# KiCad board testhologram v2.kicad_pcb (continued)
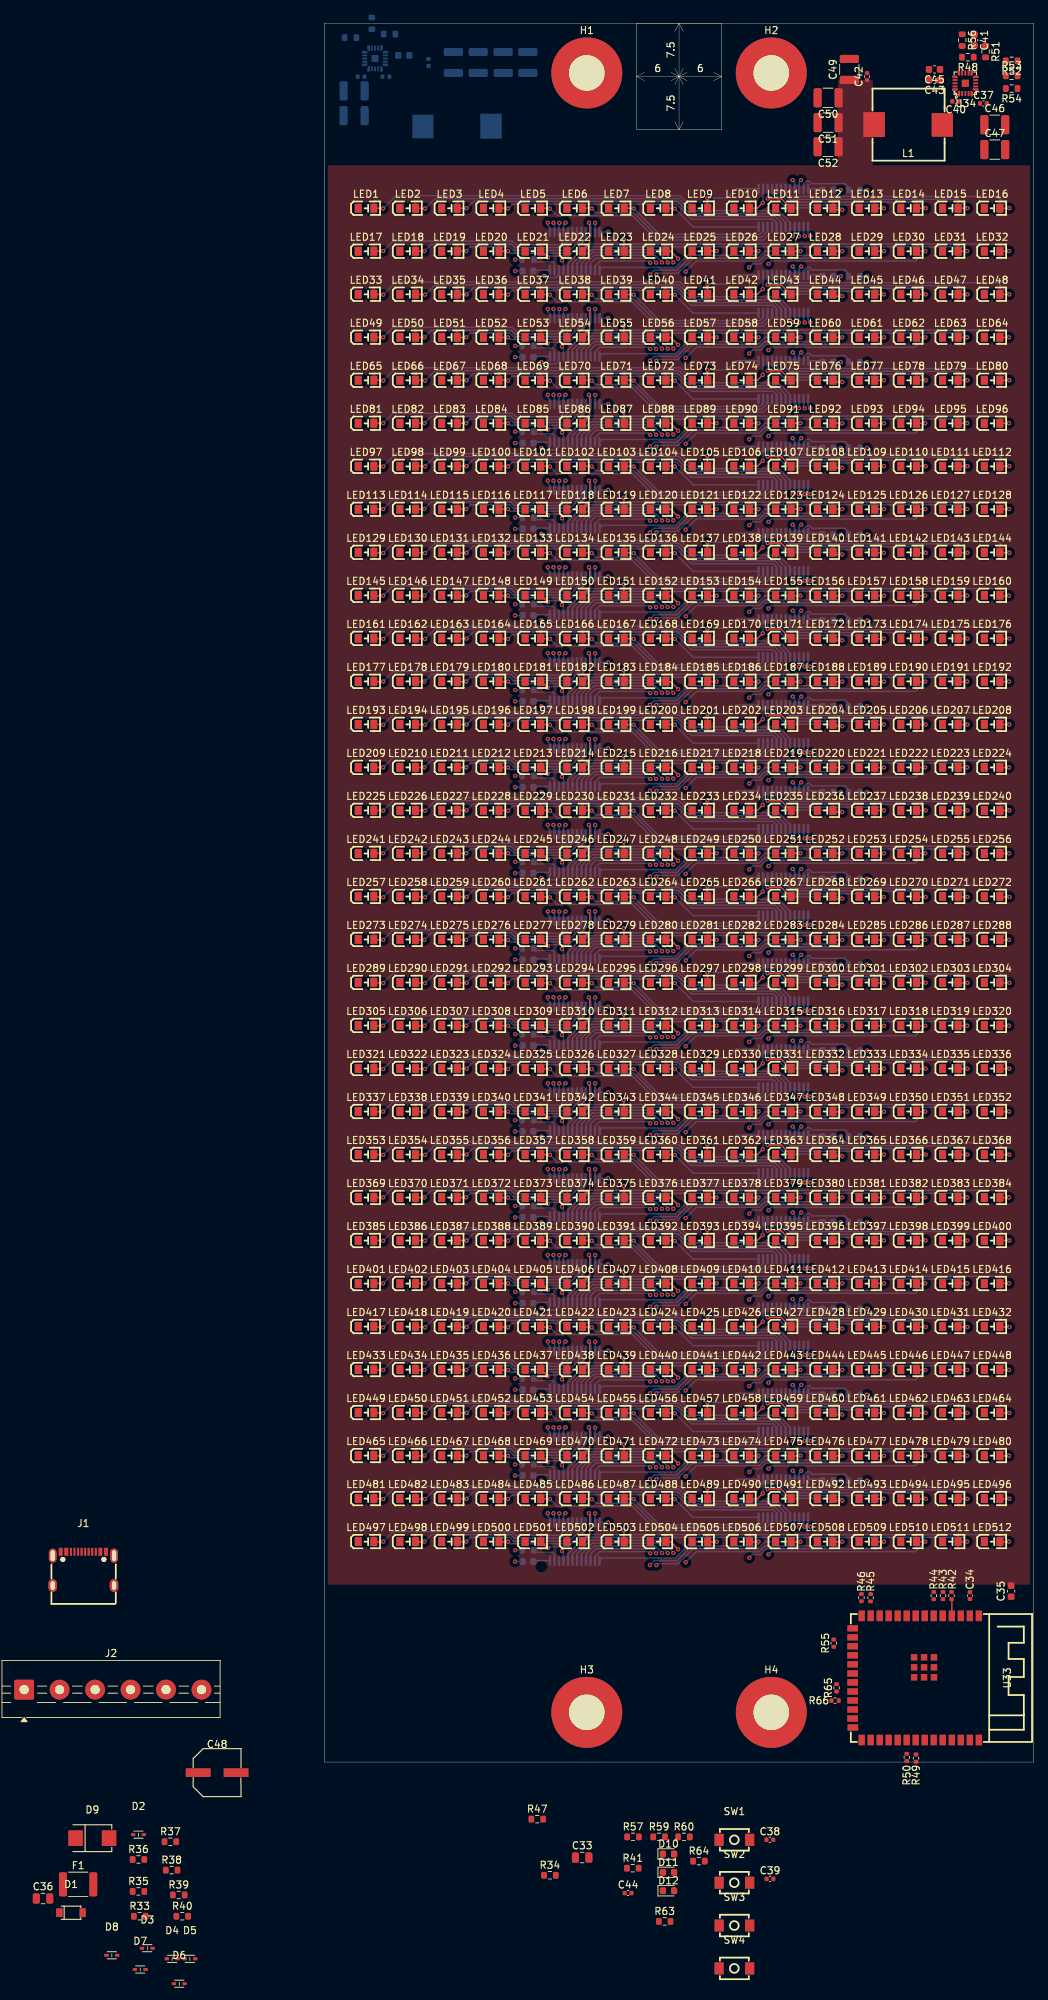
[diagram p0: board, top side]
## Routing (per net, layer and track width the routed paths; a pad name or vN(x,y) marks a point on that pad's centre or on a via; arc(x,y) is an arc through that point) (continued)
Net-(LED85-K): length 8.8
  Top w0.2: v1(31.5,187.75) 30.62,188.63 30.46,188.63
  Bottom w0.2: v1(31.5,187.75) 31.7,187.95 34.45,187.95 36.89,190.39 U6.9
Net-(LED86-K): length 5.9
  Top w0.2: v1(37.3,192.65) 37.4,192.55 37.4,189.69 36.34,188.63
  Bottom w0.2: v1(37.3,192.65) 37.52,192.43 U6.10
Net-(LED87-K): length 8.2
  Top w0.2: v1(42.2,190.25) 42.23,190.23 42.23,188.63
  In4.Cu w0.2: v1(38.18,192.63) 38.18,192.28 40.2,190.25 v1(42.2,190.25)
  Bottom w0.2: v1(38.18,192.63) 38.2,192.6 38.2,191.38 U6.11
Net-(LED88-K): length 14.9
  Top w0.2: 48.11,188.63 48.82,188.63 v1(49.88,187.58)
  In4.Cu w0.2: v1(40,191.35) 46.1,191.35 v1(49.88,187.58)
  Bottom w0.2: v1(40,191.35) 38.8,191.35 U6.12
Net-(LED89-K): length 18.9
  Top w0.2: v1(55.3,188.65) 55.28,188.63 53.99,188.63
  Bottom w0.2: v1(55.3,188.65) 51.8,188.65 49.5,186.35 47.03,186.35 47.03,186.35 46.53,186.35 46.53,186.35 39.18,186.35 U6.13
Net-(LED90-K): length 28.6
  Top w0.2: 59.87,188.63 61.18,188.63 v1(61.2,188.65)
  In4.Cu w0.2: v1(45.94,187.02) 45.9,186.98 v1(45.9,185.35)
  Bottom w0.2: U6.14 38.16,186.58 38.83,187.25 45.71,187.25 v1(45.94,187.02) ; v1(61.2,188.65) 61.2,188.35 60.9,188.05 51.8,188.05 49.7,185.95 46.5,185.95 v1(45.9,185.35)
Net-(LED91-K): length 35.5
  Top w0.2: 65.76,188.63 67.08,188.63 v1(67.1,188.65)
  In4.Cu w0.2: v1(46.8,185.35) 46.8,187 v1(46.78,187.03)
  Bottom w0.2: U6.15 37.52,186.91 38.26,187.65 46.15,187.65 v1(46.78,187.03) ; v1(67.1,188.65) 62.1,188.65 61.1,187.65 51.97,187.65 51.97,187.63 49.87,185.53 46.98,185.53 v1(46.8,185.35)
Net-(LED92-K): length 41.1
  Top w0.2: 71.64,188.63 72.98,188.63 v1(73,188.65)
  In4.Cu w0.2: v1(47.6,187.05) 47.6,186.95 48.8,185.75 v1(50.93,185.75)
  Bottom w0.2: U6.16 36.89,186.91 38.03,188.05 46.6,188.05 v1(47.6,187.05) ; v1(50.93,185.75) 52.43,187.25 61.3,187.25 62.1,188.05 72.4,188.05 v1(73,188.65)
Net-(LED93-K): length 47.5
  Top w0.2: 77.52,188.63 78.88,188.63 v1(78.9,188.65)
  In4.Cu w0.2: v1(48.4,187.05) 48.4,187 48.97,186.43 59.85,186.43 v1(59.9,186.38)
  Bottom w0.2: v1(48.4,187.05) 48.42,187.08 48.42,187.13 47.1,188.45 37.79,188.45 36.25,186.91 U6.17 ; v1(78.9,188.65) 77.9,187.65 62.3,187.65 61.5,186.85 60.38,186.85 v1(59.9,186.38)
Net-(LED94-K): length 53.8
  Top w0.2: v1(84.7,188.65) 84.68,188.63 83.4,188.63
  In4.Cu w0.2: v1(62.6,186.85) 62.48,186.98 49.28,186.98 v1(49.2,187.05)
  Bottom w0.2: v1(49.2,187.05) 49.2,187.15 47.5,188.85 37.56,188.85 35.62,186.91 U6.18 ; v1(84.7,188.65) 83.3,187.25 63,187.25 v1(62.6,186.85)
Net-(LED95-K): length 59.1
  Top w0.2: 89.29,188.63 90.58,188.63 v1(90.6,188.65)
  Bottom w0.2: v1(90.6,188.65) 90,189.25 37.32,189.25 34.98,186.91 U6.19
Net-(LED96-K): length 66
  Top w0.2: 95.17,188.63 96.48,188.63 v1(96.5,188.65)
  Bottom w0.2: v1(96.5,188.65) 95.5,189.65 37.09,189.65 34.35,186.91 U6.20
Net-(LED97-K): length 61.7
  Top w0.2: v1(8.3,182.55) 8.26,182.59 6.93,182.59
  Bottom w0.2: v1(8.3,182.55) 10.1,184.35 50.15,184.35 52.25,182.25 63.98,182.25 65.65,180.58 U7.5
Net-(LED98-K): length 54.8
  Top w0.2: 12.81,182.59 14.16,182.59 v1(14.2,182.55)
  Bottom w0.2: v1(14.2,182.55) 15.6,183.95 49.98,183.95 52.09,181.85 63.74,181.85 65.02,180.57 U7.6
Net-(LED99-K): length 47.9
  Top w0.2: v1(20.06,182.59) 18.7,182.59
  Bottom w0.2: v1(20.06,182.59) 21.02,183.55 49.82,183.55 51.92,181.45 63.51,181.45 64.38,180.58 U7.7
Net-(LED100-K): length 41.1
  Top w0.2: v1(25.9,182.55) 25.86,182.59 24.58,182.59
  Bottom w0.2: U7.8 63.75,180.57 63.27,181.05 51.75,181.05 49.65,183.15 26.5,183.15 v1(25.9,182.55)
Net-(LED101-K): length 35.6
  Top w0.2: 30.46,182.59 31.76,182.59 v1(31.8,182.55)
  Bottom w0.2: U7.9 63.11,179.34 61.88,178.11 46.84,178.11 43.4,181.55 32.8,181.55 v1(31.8,182.55)
Net-(LED102-K): length 28.8
  Top w0.2: v1(37.7,182.55) 37.66,182.59 36.34,182.59
  Bottom w0.2: U7.10 62.48,179.35 61.64,178.51 47.07,178.51 43.63,181.95 38.3,181.95 v1(37.7,182.55)
Net-(LED103-K): length 21.9
  Top w0.2: 42.23,182.59 43.56,182.59 v1(43.6,182.55)
  Bottom w0.2: v1(43.6,182.55) 47.24,178.91 61.41,178.91 61.84,179.34 U7.11
Net-(LED104-K): length 14.2
  Top w0.2: 48.11,182.59 49.36,182.59 v1(49.4,182.55)
  Bottom w0.2: v1(49.4,182.55) 51.99,179.96 U7.12
Net-(LED105-K): length 9.2
  Top w0.2: 53.99,182.59 54,182.6 v1(54,184.05)
  Bottom w0.2: U7.13 58.09,185.34 56.8,184.05 v1(54,184.05)
Net-(LED106-K): length 4.2
  Top w0.2: v1(61.8,183.35) 61.04,182.59 59.87,182.59
  Bottom w0.2: v1(61.8,183.35) 61.8,183.45 61.84,183.49 U7.14
Net-(LED107-K): length 5.9
  Top w0.2: 65.76,182.59 64.4,183.95 v1(62.5,183.95)
  Bottom w0.2: v1(62.5,183.95) 62.5,185.32 U7.15 62.48,184.67
Net-(LED108-K): length 13.1
  Top w0.2: 71.64,182.59 71.88,182.35 v1(73,182.35)
  Bottom w0.2: U7.16 63.11,184.62 65.09,182.65 72.9,182.65 73,182.55 v1(73,182.35)
Net-(LED109-K): length 18.1
  Top w0.2: v1(78.86,182.59) 77.52,182.59
  Bottom w0.2: U7.17 63.75,184.55 65.25,183.05 78.4,183.05 v1(78.86,182.59)
Net-(LED110-K): length 23.4
  Top w0.2: v1(84.76,182.59) 83.4,182.59
  Bottom w0.2: U7.18 64.38,184.49 65.42,183.45 83.9,183.45 v1(84.76,182.59)
Net-(LED111-K): length 28.7
  Top w0.2: v1(90.64,182.59) 89.29,182.59
  Bottom w0.2: U7.19 65.02,184.41 65.58,183.85 89.38,183.85 v1(90.64,182.59)
Net-(LED112-K): length 34
  Top w0.2: v1(96.56,182.59) 95.17,182.59
  Bottom w0.2: U7.20 65.65,184.35 65.75,184.25 94.9,184.25 v1(96.56,182.59)
Net-(LED113-K): length 29.3
  Top w0.2: 6.93,176.53 8.28,176.53 v1(8.3,176.55)
  Bottom w0.2: U8.5 34.35,178.6 33.2,177.45 26.98,177.45 26.48,177.95 9.7,177.95 v1(8.3,176.55)
Net-(LED114-K): length 24.1
  Top w0.2: v1(14.1,176.55) 14.08,176.53 12.81,176.53
  Bottom w0.2: U8.6 34.98,178.62 33.41,177.05 26.82,177.05 26.32,177.55 25.48,177.55 25.48,177.55 15.1,177.55 v1(14.1,176.55)
Net-(LED115-K): length 18.8
  Top w0.2: 18.7,176.53 19.98,176.53 v1(20,176.55)
  Bottom w0.2: v1(20,176.55) 20.6,177.15 25.65,177.15 25.65,177.15 26.15,177.15 26.65,176.65 33.64,176.65 35.62,178.63 U8.7
Net-(LED116-K): length 13.6
  Top w0.2: v1(25.9,176.55) 25.88,176.53 24.58,176.53
  Bottom w0.2: U8.8 36.25,178.29 34.21,176.25 26.2,176.25 v1(25.9,176.55)
Net-(LED117-K): length 8.8
  Top w0.2: v1(31.5,175.65) 30.62,176.53 30.46,176.53
  Bottom w0.2: U8.9 36.89,178.29 34.45,175.85 31.7,175.85 v1(31.5,175.65)
Net-(LED118-K): length 5.9
  Top w0.2: v1(37.3,180.55) 37.4,180.45 37.4,177.59 36.34,176.53
  Bottom w0.2: U8.10 37.52,180.33 v1(37.3,180.55)
Net-(LED119-K): length 8.2
  Top w0.2: v1(42.2,178.15) 42.23,178.13 42.23,176.53
  In4.Cu w0.2: v1(38.18,180.53) 38.18,180.18 40.2,178.15 v1(42.2,178.15)
  Bottom w0.2: U8.11 38.2,179.28 38.2,180.5 v1(38.18,180.53)
Net-(LED120-K): length 14.9
  Top w0.2: v1(49.88,175.48) 48.82,176.53 48.11,176.53
  In4.Cu w0.2: v1(40,179.25) 46.1,179.25 v1(49.88,175.48)
  Bottom w0.2: v1(40,179.25) 38.8,179.25 U8.12
Net-(LED121-K): length 18.9
  Top w0.2: 53.99,176.53 55.28,176.53 v1(55.3,176.55)
  Bottom w0.2: v1(55.3,176.55) 51.8,176.55 49.5,174.25 47.03,174.25 47.03,174.25 46.53,174.25 46.53,174.25 39.18,174.25 U8.13
Net-(LED122-K): length 28.6
  Top w0.2: v1(61.2,176.55) 61.18,176.53 59.87,176.53
  In4.Cu w0.2: v1(45.94,174.92) 45.9,174.88 v1(45.9,173.25)
  Bottom w0.2: v1(61.2,176.55) 61.2,176.25 60.9,175.95 51.8,175.95 49.7,173.85 46.5,173.85 v1(45.9,173.25) ; v1(45.94,174.92) 45.71,175.15 38.83,175.15 38.16,174.48 U8.14
Net-(LED123-K): length 35.5
  Top w0.2: 65.76,176.53 67.08,176.53 v1(67.1,176.55)
  In4.Cu w0.2: v1(46.8,173.25) 46.8,174.9 v1(46.78,174.93)
  Bottom w0.2: v1(67.1,176.55) 62.1,176.55 61.1,175.55 51.97,175.55 51.97,175.53 49.87,173.43 46.98,173.43 v1(46.8,173.25) ; U8.15 37.52,174.81 38.26,175.55 46.15,175.55 v1(46.78,174.93)
Net-(LED124-K): length 41.1
  Top w0.2: v1(73,176.55) 72.98,176.53 71.64,176.53
  In4.Cu w0.2: v1(50.93,173.65) 48.8,173.65 47.6,174.85 v1(47.6,174.95)
  Bottom w0.2: v1(73,176.55) 72.4,175.95 62.1,175.95 61.3,175.15 52.43,175.15 v1(50.93,173.65) ; U8.16 36.89,174.81 38.03,175.95 46.6,175.95 v1(47.6,174.95)
Net-(LED125-K): length 47.5
  Top w0.2: 77.52,176.53 78.88,176.53 v1(78.9,176.55)
  In4.Cu w0.2: v1(59.9,174.28) 59.85,174.33 48.97,174.33 48.4,174.9 v1(48.4,174.95)
  Bottom w0.2: v1(48.4,174.95) 48.42,174.98 48.42,175.03 47.1,176.35 37.79,176.35 36.25,174.81 U8.17 ; v1(78.9,176.55) 77.9,175.55 62.3,175.55 61.5,174.75 60.38,174.75 v1(59.9,174.28)
Net-(LED126-K): length 53.8
  Top w0.2: v1(84.7,176.55) 84.68,176.53 83.4,176.53
  In4.Cu w0.2: v1(62.6,174.75) 62.48,174.88 49.28,174.88 v1(49.2,174.95)
  Bottom w0.2: v1(84.7,176.55) 83.3,175.15 63,175.15 v1(62.6,174.75) ; U8.18 35.62,174.81 37.56,176.75 47.5,176.75 49.2,175.05 v1(49.2,174.95)
Net-(LED127-K): length 59.1
  Top w0.2: v1(90.6,176.55) 90.58,176.53 89.29,176.53
  Bottom w0.2: U8.19 34.98,174.81 37.32,177.15 90,177.15 v1(90.6,176.55)
Net-(LED128-K): length 66
  Top w0.2: v1(96.5,176.55) 96.48,176.53 95.17,176.53
  Bottom w0.2: U8.20 34.35,174.81 37.09,177.55 95.5,177.55 v1(96.5,176.55)
Net-(LED129-K): length 61.7
  Top w0.2: 6.93,170.39 8.26,170.39 v1(8.3,170.35)
  Bottom w0.2: v1(8.3,170.35) 10.1,172.15 50.15,172.15 52.25,170.05 63.98,170.05 65.65,168.38 U9.5
Net-(LED130-K): length 54.8
  Top w0.2: v1(14.2,170.35) 14.16,170.39 12.81,170.39
  Bottom w0.2: U9.6 65.02,168.37 63.74,169.65 52.09,169.65 49.98,171.75 15.6,171.75 v1(14.2,170.35)
Net-(LED131-K): length 47.9
  Top w0.2: v1(20.06,170.39) 18.7,170.39
  Bottom w0.2: v1(20.06,170.39) 21.02,171.35 49.82,171.35 51.92,169.25 63.51,169.25 64.38,168.38 U9.7
Net-(LED132-K): length 41.1
  Top w0.2: v1(25.9,170.35) 25.86,170.39 24.58,170.39
  Bottom w0.2: v1(25.9,170.35) 26.5,170.95 49.65,170.95 51.75,168.85 63.27,168.85 63.75,168.37 U9.8
Net-(LED133-K): length 35.6
  Top w0.2: v1(31.8,170.35) 31.76,170.39 30.46,170.39
  Bottom w0.2: U9.9 63.11,167.14 61.88,165.91 46.84,165.91 43.4,169.35 32.8,169.35 v1(31.8,170.35)
Net-(LED134-K): length 28.8
  Top w0.2: 36.34,170.39 37.66,170.39 v1(37.7,170.35)
  Bottom w0.2: v1(37.7,170.35) 38.3,169.75 43.63,169.75 47.07,166.31 61.64,166.31 62.48,167.15 U9.10
Net-(LED135-K): length 21.9
  Top w0.2: v1(43.6,170.35) 43.56,170.39 42.23,170.39
  Bottom w0.2: v1(43.6,170.35) 47.24,166.71 61.41,166.71 61.84,167.14 U9.11
Net-(LED136-K): length 14.2
  Top w0.2: v1(49.4,170.35) 49.36,170.39 48.11,170.39
  Bottom w0.2: U9.12 51.99,167.76 v1(49.4,170.35)
Net-(LED137-K): length 9.2
  Top w0.2: v1(54,171.85) 54,170.4 53.99,170.39
  Bottom w0.2: U9.13 58.09,173.14 56.8,171.85 v1(54,171.85)
Net-(LED138-K): length 4.2
  Top w0.2: 59.87,170.39 61.04,170.39 v1(61.8,171.15)
  Bottom w0.2: U9.14 61.84,171.29 61.8,171.25 v1(61.8,171.15)
Net-(LED139-K): length 5.9
  Top w0.2: v1(62.5,171.75) 64.4,171.75 65.76,170.39
  Bottom w0.2: v1(62.5,171.75) 62.5,173.12 U9.15 62.48,172.47
Net-(LED140-K): length 13.1
  Top w0.2: 71.64,170.39 71.88,170.15 v1(73,170.15)
  Bottom w0.2: v1(73,170.15) 73,170.35 72.9,170.45 65.09,170.45 63.11,172.42 U9.16
Net-(LED141-K): length 18.1
  Top w0.2: v1(78.86,170.39) 77.52,170.39
  Bottom w0.2: U9.17 63.75,172.35 65.25,170.85 78.4,170.85 v1(78.86,170.39)
Net-(LED142-K): length 23.4
  Top w0.2: v1(84.76,170.39) 83.4,170.39
  Bottom w0.2: U9.18 64.38,172.29 65.42,171.25 83.9,171.25 v1(84.76,170.39)
Net-(LED143-K): length 28.7
  Top w0.2: v1(90.64,170.39) 89.29,170.39
  Bottom w0.2: v1(90.64,170.39) 89.38,171.65 65.58,171.65 65.02,172.21 U9.19
Net-(LED144-K): length 34
  Top w0.2: v1(96.56,170.39) 95.17,170.39
  Bottom w0.2: v1(96.56,170.39) 94.9,172.05 65.75,172.05 65.65,172.15 U9.20
Net-(LED145-K): length 29.3
  Top w0.2: 6.93,164.33 8.28,164.33 v1(8.3,164.35)
  Bottom w0.2: U10.5 34.35,166.4 33.2,165.25 26.98,165.25 26.48,165.75 9.7,165.75 v1(8.3,164.35)
Net-(LED146-K): length 24.1
  Top w0.2: v1(14.1,164.35) 14.08,164.33 12.81,164.33
  Bottom w0.2: U10.6 34.98,166.42 33.41,164.85 26.82,164.85 26.32,165.35 25.48,165.35 25.48,165.35 15.1,165.35 v1(14.1,164.35)
Net-(LED147-K): length 18.8
  Top w0.2: 18.7,164.33 19.98,164.33 v1(20,164.35)
  Bottom w0.2: U10.7 35.62,166.43 33.64,164.45 26.65,164.45 26.15,164.95 25.65,164.95 25.65,164.95 20.6,164.95 v1(20,164.35)
Net-(LED148-K): length 13.6
  Top w0.2: 24.58,164.33 25.88,164.33 v1(25.9,164.35)
  Bottom w0.2: v1(25.9,164.35) 26.2,164.05 34.21,164.05 36.25,166.09 U10.8
Net-(LED149-K): length 8.8
  Top w0.2: 30.46,164.33 30.62,164.33 v1(31.5,163.45)
  Bottom w0.2: v1(31.5,163.45) 31.7,163.65 34.45,163.65 36.89,166.09 U10.9
Net-(LED150-K): length 5.9
  Top w0.2: v1(37.3,168.35) 37.4,168.25 37.4,165.39 36.34,164.33
  Bottom w0.2: v1(37.3,168.35) 37.52,168.13 U10.10
Net-(LED151-K): length 8.2
  Top w0.2: 42.23,164.33 42.23,165.93 v1(42.2,165.95)
  In4.Cu w0.2: v1(38.18,168.33) 38.18,167.98 40.2,165.95 v1(42.2,165.95)
  Bottom w0.2: v1(38.18,168.33) 38.2,168.3 38.2,167.08 U10.11
Net-(LED152-K): length 14.9
  Top w0.2: v1(49.88,163.28) 48.82,164.33 48.11,164.33
  In4.Cu w0.2: v1(49.88,163.28) 46.1,167.05 v1(40,167.05)
  Bottom w0.2: v1(40,167.05) 38.8,167.05 U10.12
Net-(LED153-K): length 18.9
  Top w0.2: 53.99,164.33 55.28,164.33 v1(55.3,164.35)
  Bottom w0.2: v1(55.3,164.35) 51.8,164.35 49.5,162.05 47.03,162.05 47.03,162.05 46.53,162.05 46.53,162.05 39.18,162.05 U10.13
Net-(LED154-K): length 28.6
  Top w0.2: 59.87,164.33 61.18,164.33 v1(61.2,164.35)
  In4.Cu w0.2: v1(45.94,162.72) 45.9,162.68 v1(45.9,161.05)
  Bottom w0.2: v1(45.9,161.05) 46.5,161.65 49.7,161.65 51.8,163.75 60.9,163.75 61.2,164.05 v1(61.2,164.35) ; U10.14 38.16,162.28 38.83,162.95 45.71,162.95 v1(45.94,162.72)
Net-(LED155-K): length 35.5
  Top w0.2: v1(67.1,164.35) 67.08,164.33 65.76,164.33
  In4.Cu w0.2: v1(46.78,162.73) 46.8,162.7 v1(46.8,161.05)
  Bottom w0.2: v1(46.78,162.73) 46.15,163.35 38.26,163.35 37.52,162.61 U10.15 ; v1(67.1,164.35) 62.1,164.35 61.1,163.35 51.97,163.35 51.97,163.33 49.87,161.23 46.98,161.23 v1(46.8,161.05)
Net-(LED156-K): length 41.1
  Top w0.2: 71.64,164.33 72.98,164.33 v1(73,164.35)
  In4.Cu w0.2: v1(47.6,162.75) 47.6,162.65 48.8,161.45 v1(50.93,161.45)
  Bottom w0.2: v1(73,164.35) 72.4,163.75 62.1,163.75 61.3,162.95 52.43,162.95 v1(50.93,161.45) ; v1(47.6,162.75) 46.6,163.75 38.03,163.75 36.89,162.61 U10.16
Net-(LED157-K): length 47.5
  Top w0.2: v1(78.9,164.35) 78.88,164.33 77.52,164.33
  In4.Cu w0.2: v1(48.4,162.75) 48.4,162.7 48.97,162.13 59.85,162.13 v1(59.9,162.08)
  Bottom w0.2: v1(59.9,162.08) 60.38,162.55 61.5,162.55 62.3,163.35 77.9,163.35 v1(78.9,164.35) ; v1(48.4,162.75) 48.42,162.78 48.42,162.83 47.1,164.15 37.79,164.15 36.25,162.61 U10.17
Net-(LED158-K): length 53.8
  Top w0.2: v1(84.7,164.35) 84.68,164.33 83.4,164.33
  In4.Cu w0.2: v1(62.6,162.55) 62.48,162.68 49.28,162.68 v1(49.2,162.75)
  Bottom w0.2: v1(84.7,164.35) 83.3,162.95 63,162.95 v1(62.6,162.55) ; v1(49.2,162.75) 49.2,162.85 47.5,164.55 37.56,164.55 35.62,162.61 U10.18
Net-(LED159-K): length 59.1
  Top w0.2: 89.29,164.33 90.58,164.33 v1(90.6,164.35)
  Bottom w0.2: v1(90.6,164.35) 90,164.95 37.32,164.95 34.98,162.61 U10.19
Net-(LED160-K): length 66
  Top w0.2: 95.17,164.33 96.48,164.33 v1(96.5,164.35)
  Bottom w0.2: U10.20 34.35,162.61 37.09,165.35 95.5,165.35 v1(96.5,164.35)
Net-(LED161-K): length 61.7
  Top w0.2: 6.93,158.29 8.26,158.29 v1(8.3,158.25)
  Bottom w0.2: v1(8.3,158.25) 10.1,160.05 50.15,160.05 52.25,157.95 63.98,157.95 65.65,156.28 U11.5
Net-(LED162-K): length 54.8
  Top w0.2: v1(14.2,158.25) 14.16,158.29 12.81,158.29
  Bottom w0.2: U11.6 65.02,156.27 63.74,157.55 52.09,157.55 49.98,159.65 15.6,159.65 v1(14.2,158.25)
Net-(LED163-K): length 47.9
  Top w0.2: v1(20.06,158.29) 18.7,158.29
  Bottom w0.2: U11.7 64.38,156.28 63.51,157.15 51.92,157.15 49.82,159.25 21.02,159.25 v1(20.06,158.29)
Net-(LED164-K): length 41.1
  Top w0.2: v1(25.9,158.25) 25.86,158.29 24.58,158.29
  Bottom w0.2: U11.8 63.75,156.27 63.27,156.75 51.75,156.75 49.65,158.85 26.5,158.85 v1(25.9,158.25)
Net-(LED165-K): length 35.6
  Top w0.2: 30.46,158.29 31.76,158.29 v1(31.8,158.25)
  Bottom w0.2: U11.9 63.11,155.04 61.88,153.81 46.84,153.81 43.4,157.25 32.8,157.25 v1(31.8,158.25)
Net-(LED166-K): length 28.8
  Top w0.2: v1(37.7,158.25) 37.66,158.29 36.34,158.29
  Bottom w0.2: v1(37.7,158.25) 38.3,157.65 43.63,157.65 47.07,154.21 61.64,154.21 62.48,155.05 U11.10
Net-(LED167-K): length 21.9
  Top w0.2: v1(43.6,158.25) 43.56,158.29 42.23,158.29
  Bottom w0.2: U11.11 61.84,155.04 61.41,154.61 47.24,154.61 v1(43.6,158.25)
Net-(LED168-K): length 14.2
  Top w0.2: 48.11,158.29 49.36,158.29 v1(49.4,158.25)
  Bottom w0.2: v1(49.4,158.25) 51.99,155.66 U11.12
Net-(LED169-K): length 9.2
  Top w0.2: v1(54,159.75) 54,158.3 53.99,158.29
  Bottom w0.2: U11.13 58.09,161.04 56.8,159.75 v1(54,159.75)
Net-(LED170-K): length 4.2
  Top w0.2: 59.87,158.29 61.04,158.29 v1(61.8,159.05)
  Bottom w0.2: v1(61.8,159.05) 61.8,159.15 61.84,159.19 U11.14
Net-(LED171-K): length 5.9
  Top w0.2: v1(62.5,159.65) 64.4,159.65 65.76,158.29
  Bottom w0.2: 62.48,160.37 U11.15 62.5,161.02 v1(62.5,159.65)
Net-(LED172-K): length 13.1
  Top w0.2: 71.64,158.29 71.88,158.05 v1(73,158.05)
  Bottom w0.2: v1(73,158.05) 73,158.25 72.9,158.35 65.09,158.35 63.11,160.32 U11.16
Net-(LED173-K): length 18.1
  Top w0.2: v1(78.86,158.29) 77.52,158.29
  Bottom w0.2: v1(78.86,158.29) 78.4,158.75 65.25,158.75 63.75,160.25 U11.17
Net-(LED174-K): length 23.4
  Top w0.2: v1(84.76,158.29) 83.4,158.29
  Bottom w0.2: U11.18 64.38,160.19 65.42,159.15 83.9,159.15 v1(84.76,158.29)
Net-(LED175-K): length 28.7
  Top w0.2: v1(90.64,158.29) 89.29,158.29
  Bottom w0.2: v1(90.64,158.29) 89.38,159.55 65.58,159.55 65.02,160.11 U11.19
Net-(LED176-K): length 34
  Top w0.2: v1(96.56,158.29) 95.17,158.29
  Bottom w0.2: v1(96.56,158.29) 94.9,159.95 65.75,159.95 65.65,160.05 U11.20
Net-(LED177-K): length 29.3
  Top w0.2: 6.93,152.23 8.28,152.23 v1(8.3,152.25)
  Bottom w0.2: v1(8.3,152.25) 9.7,153.65 26.48,153.65 26.98,153.15 33.2,153.15 34.35,154.3 U12.5
Net-(LED178-K): length 24.1
  Top w0.2: 12.81,152.23 14.08,152.23 v1(14.1,152.25)
  Bottom w0.2: U12.6 34.98,154.32 33.41,152.75 26.82,152.75 26.32,153.25 25.48,153.25 25.48,153.25 15.1,153.25 v1(14.1,152.25)
Net-(LED179-K): length 18.8
  Top w0.2: 18.7,152.23 19.98,152.23 v1(20,152.25)
  Bottom w0.2: U12.7 35.62,154.33 33.64,152.35 26.65,152.35 26.15,152.85 25.65,152.85 25.65,152.85 20.6,152.85 v1(20,152.25)
Net-(LED180-K): length 13.6
  Top w0.2: 24.58,152.23 25.88,152.23 v1(25.9,152.25)
  Bottom w0.2: U12.8 36.25,153.99 34.21,151.95 26.2,151.95 v1(25.9,152.25)
Net-(LED181-K): length 8.8
  Top w0.2: v1(31.5,151.35) 30.62,152.23 30.46,152.23
  Bottom w0.2: v1(31.5,151.35) 31.7,151.55 34.45,151.55 36.89,153.99 U12.9
Net-(LED182-K): length 5.9
  Top w0.2: v1(37.3,156.25) 37.4,156.15 37.4,153.29 36.34,152.23
  Bottom w0.2: v1(37.3,156.25) 37.52,156.03 U12.10
Net-(LED183-K): length 8.2
  Top w0.2: v1(42.2,153.85) 42.23,153.83 42.23,152.23
  In4.Cu w0.2: v1(42.2,153.85) 40.2,153.85 38.18,155.88 v1(38.18,156.23)
  Bottom w0.2: U12.11 38.2,154.98 38.2,156.2 v1(38.18,156.23)
Net-(LED184-K): length 14.9
  Top w0.2: v1(49.88,151.18) 48.82,152.23 48.11,152.23
  In4.Cu w0.2: v1(40,154.95) 46.1,154.95 v1(49.88,151.18)
  Bottom w0.2: U12.12 38.8,154.95 v1(40,154.95)
Net-(LED185-K): length 18.9
  Top w0.2: v1(55.3,152.25) 55.28,152.23 53.99,152.23
  Bottom w0.2: v1(55.3,152.25) 51.8,152.25 49.5,149.95 47.03,149.95 47.03,149.95 46.53,149.95 46.53,149.95 39.18,149.95 U12.13
Net-(LED186-K): length 28.6
  Top w0.2: 59.87,152.23 61.18,152.23 v1(61.2,152.25)
  In4.Cu w0.2: v1(45.94,150.62) 45.9,150.58 v1(45.9,148.95)
  Bottom w0.2: U12.14 38.16,150.18 38.83,150.85 45.71,150.85 v1(45.94,150.62) ; v1(61.2,152.25) 61.2,151.95 60.9,151.65 51.8,151.65 49.7,149.55 46.5,149.55 v1(45.9,148.95)
Net-(LED187-K): length 35.5
  Top w0.2: 65.76,152.23 67.08,152.23 v1(67.1,152.25)
  In4.Cu w0.2: v1(46.78,150.63) 46.8,150.6 v1(46.8,148.95)
  Bottom w0.2: v1(46.8,148.95) 46.98,149.13 49.87,149.13 51.97,151.23 51.97,151.25 61.1,151.25 62.1,152.25 v1(67.1,152.25) ; v1(46.78,150.63) 46.15,151.25 38.26,151.25 37.52,150.51 U12.15
Net-(LED188-K): length 41.1
  Top w0.2: v1(73,152.25) 72.98,152.23 71.64,152.23
  In4.Cu w0.2: v1(50.93,149.35) 48.8,149.35 47.6,150.55 v1(47.6,150.65)
  Bottom w0.2: v1(47.6,150.65) 46.6,151.65 38.03,151.65 36.89,150.51 U12.16 ; v1(50.93,149.35) 52.43,150.85 61.3,150.85 62.1,151.65 72.4,151.65 v1(73,152.25)
Net-(LED189-K): length 47.5
  Top w0.2: 77.52,152.23 78.88,152.23 v1(78.9,152.25)
  In4.Cu w0.2: v1(59.9,149.98) 59.85,150.03 48.97,150.03 48.4,150.6 v1(48.4,150.65)
  Bottom w0.2: v1(78.9,152.25) 77.9,151.25 62.3,151.25 61.5,150.45 60.38,150.45 v1(59.9,149.98) ; U12.17 36.25,150.51 37.79,152.05 47.1,152.05 48.42,150.73 48.42,150.68 v1(48.4,150.65)
Net-(LED190-K): length 53.8
  Top w0.2: v1(84.7,152.25) 84.68,152.23 83.4,152.23
  In4.Cu w0.2: v1(49.2,150.65) 49.28,150.58 62.48,150.58 v1(62.6,150.45)
  Bottom w0.2: v1(49.2,150.65) 49.2,150.75 47.5,152.45 37.56,152.45 35.62,150.51 U12.18 ; v1(62.6,150.45) 63,150.85 83.3,150.85 v1(84.7,152.25)
Net-(LED191-K): length 59.1
  Top w0.2: 89.29,152.23 90.58,152.23 v1(90.6,152.25)
  Bottom w0.2: v1(90.6,152.25) 90,152.85 37.32,152.85 34.98,150.51 U12.19
Net-(LED192-K): length 66
  Top w0.2: v1(96.5,152.25) 96.48,152.23 95.17,152.23
  Bottom w0.2: v1(96.5,152.25) 95.5,153.25 37.09,153.25 34.35,150.51 U12.20
Net-(LED193-K): length 61.7
  Top w0.2: v1(8.3,146.15) 8.26,146.19 6.93,146.19
  Bottom w0.2: U13.5 65.65,144.18 63.98,145.85 52.25,145.85 50.15,147.95 10.1,147.95 v1(8.3,146.15)
Net-(LED194-K): length 54.8
  Top w0.2: v1(14.2,146.15) 14.16,146.19 12.81,146.19
  Bottom w0.2: v1(14.2,146.15) 15.6,147.55 49.98,147.55 52.09,145.45 63.74,145.45 65.02,144.17 U13.6
Net-(LED195-K): length 47.9
  Top w0.2: v1(20.06,146.19) 18.7,146.19
  Bottom w0.2: v1(20.06,146.19) 21.02,147.15 49.82,147.15 51.92,145.05 63.51,145.05 64.38,144.18 U13.7
Net-(LED196-K): length 41.1
  Top w0.2: v1(25.9,146.15) 25.86,146.19 24.58,146.19
  Bottom w0.2: v1(25.9,146.15) 26.5,146.75 49.65,146.75 51.75,144.65 63.27,144.65 63.75,144.17 U13.8
Net-(LED197-K): length 35.6
  Top w0.2: 30.46,146.19 31.76,146.19 v1(31.8,146.15)
  Bottom w0.2: v1(31.8,146.15) 32.8,145.15 43.4,145.15 46.84,141.71 61.88,141.71 63.11,142.94 U13.9
Net-(LED198-K): length 28.8
  Top w0.2: v1(37.7,146.15) 37.66,146.19 36.34,146.19
  Bottom w0.2: U13.10 62.48,142.95 61.64,142.11 47.07,142.11 43.63,145.55 38.3,145.55 v1(37.7,146.15)
Net-(LED199-K): length 21.9
  Top w0.2: v1(43.6,146.15) 43.56,146.19 42.23,146.19
  Bottom w0.2: v1(43.6,146.15) 47.24,142.51 61.41,142.51 61.84,142.94 U13.11
Net-(LED200-K): length 14.2
  Top w0.2: v1(49.4,146.15) 49.36,146.19 48.11,146.19
  Bottom w0.2: v1(49.4,146.15) 51.99,143.56 U13.12
Net-(LED201-K): length 9.2
  Top w0.2: 53.99,146.19 54,146.2 v1(54,147.65)
  Bottom w0.2: v1(54,147.65) 56.8,147.65 58.09,148.94 U13.13
Net-(LED202-K): length 4.2
  Top w0.2: 59.87,146.19 61.04,146.19 v1(61.8,146.95)
  Bottom w0.2: U13.14 61.84,147.09 61.8,147.05 v1(61.8,146.95)
Net-(LED203-K): length 5.9
  Top w0.2: 65.76,146.19 64.4,147.55 v1(62.5,147.55)
  Bottom w0.2: 62.48,148.27 U13.15 62.5,148.92 v1(62.5,147.55)
Net-(LED204-K): length 13.1
  Top w0.2: v1(73,145.95) 71.88,145.95 71.64,146.19
  Bottom w0.2: U13.16 63.11,148.22 65.09,146.25 72.9,146.25 73,146.15 v1(73,145.95)
Net-(LED205-K): length 18.1
  Top w0.2: v1(78.86,146.19) 77.52,146.19
  Bottom w0.2: U13.17 63.75,148.15 65.25,146.65 78.4,146.65 v1(78.86,146.19)
Net-(LED206-K): length 23.4
  Top w0.2: v1(84.76,146.19) 83.4,146.19
  Bottom w0.2: v1(84.76,146.19) 83.9,147.05 65.42,147.05 64.38,148.09 U13.18
Net-(LED207-K): length 28.7
  Top w0.2: v1(90.64,146.19) 89.29,146.19
  Bottom w0.2: v1(90.64,146.19) 89.38,147.45 65.58,147.45 65.02,148.01 U13.19
Net-(LED208-K): length 34
  Top w0.2: v1(96.56,146.19) 95.17,146.19
  Bottom w0.2: v1(96.56,146.19) 94.9,147.85 65.75,147.85 65.65,147.95 U13.20
Net-(LED209-K): length 29.3
  Top w0.2: 6.93,140.13 8.28,140.13 v1(8.3,140.15)
  Bottom w0.2: U14.5 34.35,142.2 33.2,141.05 26.98,141.05 26.48,141.55 9.7,141.55 v1(8.3,140.15)
Net-(LED210-K): length 24.1
  Top w0.2: v1(14.1,140.15) 14.08,140.13 12.81,140.13
  Bottom w0.2: v1(14.1,140.15) 15.1,141.15 25.48,141.15 25.48,141.15 26.32,141.15 26.82,140.65 33.41,140.65 34.98,142.22 U14.6
Net-(LED211-K): length 18.8
  Top w0.2: 18.7,140.13 19.98,140.13 v1(20,140.15)
  Bottom w0.2: U14.7 35.62,142.23 33.64,140.25 26.65,140.25 26.15,140.75 25.65,140.75 25.65,140.75 20.6,140.75 v1(20,140.15)
Net-(LED212-K): length 13.6
  Top w0.2: 24.58,140.13 25.88,140.13 v1(25.9,140.15)
  Bottom w0.2: U14.8 36.25,141.89 34.21,139.85 26.2,139.85 v1(25.9,140.15)
Net-(LED213-K): length 8.8
  Top w0.2: 30.46,140.13 30.62,140.13 v1(31.5,139.25)
  Bottom w0.2: v1(31.5,139.25) 31.7,139.45 34.45,139.45 36.89,141.89 U14.9
Net-(LED214-K): length 5.9
  Top w0.2: v1(37.3,144.15) 37.4,144.05 37.4,141.19 36.34,140.13
  Bottom w0.2: v1(37.3,144.15) 37.52,143.93 U14.10
Net-(LED215-K): length 8.2
  Top w0.2: 42.23,140.13 42.23,141.73 v1(42.2,141.75)
  In4.Cu w0.2: v1(42.2,141.75) 40.2,141.75 38.18,143.78 v1(38.18,144.13)